# Altium PCB CX3_Camera.PcbDoc (continued)
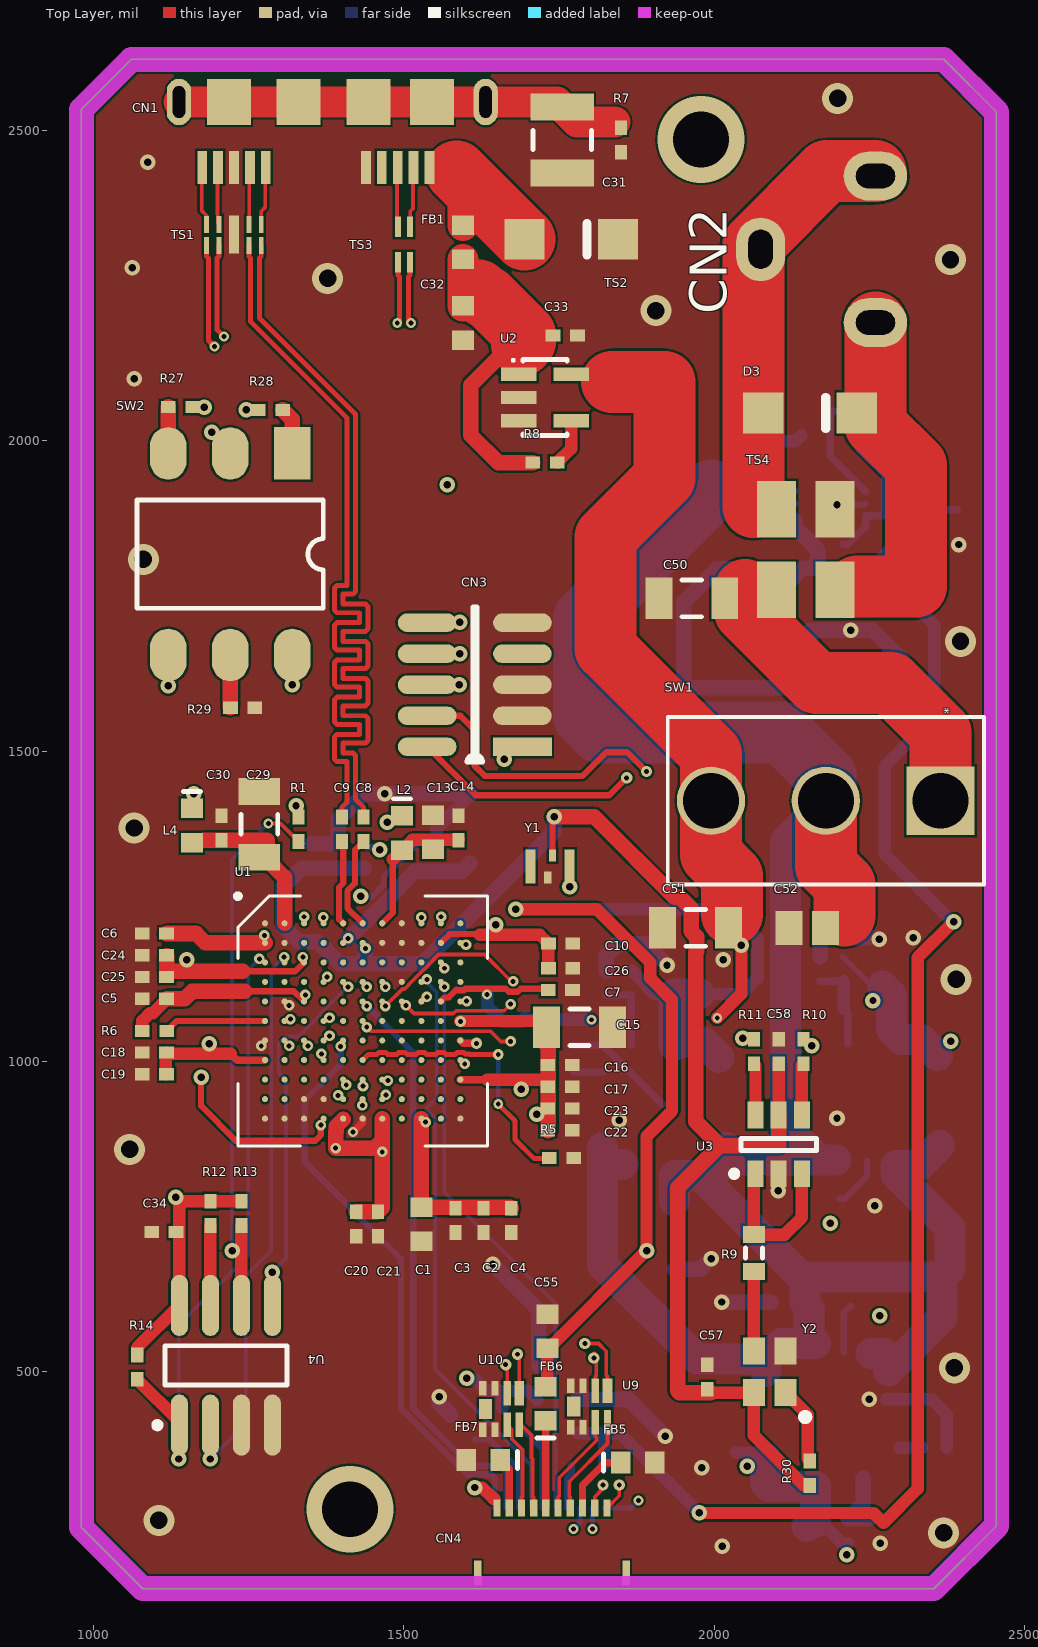
[diagram p0: Top Layer view]
## Footprints (in the part's own frame and the unit in brackets; to place one, negate y for a bottom-side part, rotate by r counter-clockwise, add the part's x,y. Pads: shape width x height; smd on the part's side, far side on the other; paste and mask are expansions set on the pad) (continued)
  rect 69x57 smd paste-34: 7(0,0)
  silkscreen extent -90,-47 66,47, body extent -63,-42 63,41, height 32
DO-214AC [mm]
  rect 1.65x1.67 smd: 1(0,0) 2(3.83,0)
  silkscreen extent 1.27,-0.63 1.27,0.64
DO-216AA [mil] "DO-216AA"
  rect 105.12x100 smd: 1(0,0)
  rect 30x50 smd: 2(92.56,0)
FTSH-105-01-F-DV-K [mm]
  rect 2.4x0.76 smd: 1(0,0)
  oval 2.4x0.76 smd: 2(3.9,0) 3(0,-1.27) 4(3.9,-1.27) 5(0,-2.54) 6(3.9,-2.54) 7(0,-3.81) 8(3.9,-3.81) 9(0,-5.08) 10(3.9,-5.08)
  silkscreen extent 1.63,-5.71 2.27,0.64, body extent -1.06,-5.71 4.79,0.63, height 6.11
INDC1608L [mm] "Chip Inductor, Body 1.6x0.8mm, IPC High Density"
  rect 0.8x0.9 smd: 1(-0.7,0) 2(0.7,0)
  silkscreen extent -1.4,-0.35 -1.4,0.35, body extent -0.87,-0.47 0.87,0.47, height 0.55
J1-0603 [mm] "Chip Resistor, Body 1.6x0.8mm, IPC High Density"
  rect 0.7x0.9 smd: 1(-0.75,0) 2(0.75,0)
  silkscreen extent -0.2,-0.35 0.2,0.35, body extent -0.85,-0.48 0.85,0.47, height 0.9
PJ-102B [mm]
  oval 2.6x2 hole 1 slot 1.6 at 0 deg: 1(0,0) 2(0,6)
  oval 2x2.6 hole 1 slot 1.6 at 90 deg: 3(-4.7,3)
  body extent -4.9,-0.6 4.5,13.8, height 11.5
RCLAMP0524J [mil] "TVS DIODE 5VWM 15VC 8SLP"
  rect 8x27 smd: 1(0,-34) 2(20,-34) 3(68,-34) 4(88,-34) 5(88,0) 6(68,0) 7(20,0) 8(0,0)
  rect 16x61 smd: 9(44,-17.5)
RGW20_3P15X3P15 [mm]
  rect 1x0.35 smd paste-0.175: 1(-2.4,1.3) 2(-2.4,0.65) 3(-2.4,0) 4(-2.4,-0.65) 5(-2.4,-1.3) 11(2.4,-1.3) 12(2.4,-0.65) 13(2.4,0) 14(2.4,0.65) 15(2.4,1.3)
  rect 0.35x1 smd paste-0.175: 6(-1.3,-2.4) 7(-0.65,-2.4) 8(0,-2.4) 9(0.65,-2.4) 10(1.3,-2.4) 16(1.3,2.4) 17(0.65,2.4) 18(0,2.4) 19(-0.65,2.4) 20(-1.3,2.4)
  rect 3.15x3.15 smd paste-1.562 mask-1.562: 21(0,0)
  silkscreen extent -2.96,-3.41 2.96,3.41, body extent -2.63,-2.63 2.63,2.63, height 1
SDA03H0SBR [mm]
  rect 2.15x1.5 smd: 1(0,0)
  oval 2.15x1.5 smd: 2(0,-2.54) 3(0,-5.08) 4(8.25,-5.08) 5(8.25,-2.54) 6(8.25,0)
  silkscreen extent 1.91,-6.35 6.34,1.27, body extent -0.5,-7.3 8.8,2.3, height 4.5
SG5032 [mm]
  rect 1.1x0.9 smd: 1(0,-1.3) 2(1.7,-1.3) 3(1.7,0) 4(0,0)
  silkscreen extent -1.14,-2.24 -0.86,-1.96
SIT1533 [mm] "32.768 kHz Quartz XTAL Replacement"
  rect 0.4x1.4 smd: 1(0,0) 3(1.6,0)
  rect 0.3x0.5 smd: 2(0.7,-0.45) 4(0.9,0.45)
SO8_M [mm] "SOIC, 8-Leads, Body 4.9x3.9mm, Pitch 1.27mm, IPC Low Density"
  oval 2.5x0.7 smd: 1(-2.45,1.905) 2(-2.45,0.635) 3(-2.45,-0.635) 4(-2.45,-1.905) 5(2.45,-1.905) 6(2.45,-0.635) 7(2.45,0.635) 8(2.45,1.905)
  silkscreen extent -2.57,-2.5 0.8,2.93, body extent -2,-2.5 2,2.5, height 1.75
SOD-323 [mm] "SOD-323/SC-76; 2 Leads; Body 1.7 x 1.3 mm, (LxW)"
  rect 1.45x0.55 smd: 1(1.175,0) 2(-1.175,0)
  silkscreen extent -0.95,-0.75 0.95,0.75
SOT-23-5 [mm] "SOT-23/SC-74A; 5 Leads; Body 3.1 x 3.1 mm, inc. leads (LxW max)"
  rect 0.55x1.45 smd: 1(-0.95,-1.075) 2(0,-1.075) 3(0.95,-1.075) 4(0.95,1.075) 5(-0.95,1.075)
  silkscreen extent -1.57,-1.35 1.55,0.9
SOT-23_A_N [mm] "SOT23, 6-Leads, Body 2.9x1.7mm, Pitch 0.95mm, Lead Span 2.8mm, IPC Medium Density"
  rect 1.1x0.65 smd: 1(-1.2,0.95) 2(-1.2,0) 3(-1.2,-0.95) 4(1.2,-0.95) 5(1.2,0) 6(1.2,0.95)
  silkscreen extent -1.32,-1.55 0.25,1.95, body extent -0.9,-1.55 0.9,1.55, height 1.45
SRF0504-102Y [mm]
  rect 1.6x2.3 smd: 1(2.4,0) 2(0,0) 3(0,-3.3) 4(2.4,-3.3)
  body extent -1.3,-4.2 3.7,1, height 4.8
SZEMI2121MTTAG [mm]
  rect 0.4x1 smd: 1(0,-1.3)
  rect 0.3x1 smd: 2(0.5,-1.3) 7(0.5,0) 8(0,0)
  rect 0.3x0.6 smd: 3(1,-1.5) 4(1.5,-1.5) 5(1.5,0.2) 6(1,0.2)
  rect 0.54x0.8 smd: 9(1.38,-0.65)
USB3MICROB [mm] "USB 3.0 Micro B Receptacle"
  oval 1x1.9 hole 0.5 slot 1.3 at 90 deg: 0(-2.3,-2.675) 0(10.25,-2.675)
  rect 1.8x1.9 smd: 0(-0.1,-2.675) 0(2.5,-2.675) 0(5.35,-2.675) 0(8.2,-2.675)
  rect 0.4x1.35 smd: 1(0,0) 2(0.65,0) 3(1.3,0) 4(1.95,0) 5(2.6,0) 6(6.7,0) 7(7.35,0) 8(8,0) 9(8.65,0) 10(9.3,0)
  body extent -2.7,-5.52 10.71,0.4, height 2.73

## Part data
C1 C2 C3 C4 C5 C6 C7 C8 C9 C10 C11 C12 C13 C14 C15 C16 C17 C18 C19 C20 C21 C22 C23 C24 C25 C26 C27 C28 C29 C30 C31 C32 C33 C34 C35 C36 C37 C38 C39 C40 C41 C42 C43 C44 C45 C46 C47 C48 C49 C50 C51 C52 C53 C54 C55 C57 C58: library part "Cap Semi", "Capacitor (Semiconductor SIM Model)"
CN2: library part PWR2.5, "Low Voltage Power Supply Connector"
CN3: library part MHDR2X5, "Header, 5-Pin, Dual row"
CN4 CN5: library part "Header 10", "Header, 10-Pin"
D1 D2 D3: library part BAT60B, "Silicon AF Schottky Rectifier Diode"
FB1 FB2 FB3 FB4 FB5 FB6 FB7 L1 L2 L3 L4 L5: library part Inductor, "Inductor"
R1 R5 R6 R7 R8 R9 R10 R11 R12 R13 R14 R15 R16 R17 R18 R19 R20 R21 R22 R23 R24 R25 R26 R27 R28 R29 R30: library part Res3, "Resistor"
SW1 U5 U6 U7 U8: "Imported"
TS1: library part RCLAMP0524J
TS2: library part DL5243B, "Silicon Zener Diode"
TS3 TS4: library part CHOKE_COM
U1: "Cypress CX3"
U4: library part M25P40
Y1: library part OSCILATOR_32kHz
Y2: library part OSCILLATOR

## Via types
v1: diameter 25, hole 12, Top Layer to Bottom Layer, tented both sides, 67 vias
v2: diameter 17, hole 8, Top Layer to Bottom Layer, tented both sides, 49 vias
v3: diameter 16, hole 8, Top Layer to Bottom Layer, tented both sides, 13 vias
v4: diameter 50, hole 28, Top Layer to Bottom Layer, tented both sides, 12 vias
v5: diameter 18, hole 8, Top Layer to Bottom Layer, tented both sides, 9 vias
v6: diameter 140, hole 90, Top Layer to Bottom Layer, 2 vias
v7: diameter 18/18/18 (per signal layer), hole 8, Top Layer to Bottom Layer, tented both sides, 1 vias

## Nets (pads, with @x,y where several pads share a name; then routed paths per layer and width w, separated by ;. In a path a pad name is that pad's centre, name@x,y a point inside that pad or via, vN(x,y) a via of type N, cw(c..) or ccw(c..) an arc to the next point about the centre after c; other vN are vias at no path point)
CLK_19.2MHZ_CX3: R11.1 U1.D7 | length 656.4
  L4 (SIG) w8: v2(1470,1120) 1503,1120 1520.96,1102.04 1520.96,1097.35 1624.31,994 2016,994 2046,1024 v1(2046,1037)
CLK_19.2MHZ_MIPI: R10.1 U1.F2 | length 923.7
  L4 (SIG) w8: v2(1317,1068) 1347,1068 1373,1094 1402,1094 1424.96,1071.04 1510.96,1071.04 1581.96,1000.04 1581.96,989.35 1592.31,979 2017.32,979 2046.28,1007.96 2113.96,1007.96 2131,1025 v1(2157,1025)
CLK_OSC_32K768HZ: U1.D6 Y1.3 | length 403.6
  L4 (SIG) w10: v2(1440,1120) 1440.1,1120 1536.06,1215.96 1583.96,1215.96 1601,1233 1601,1250 1618,1267 1753,1267 v1(1767,1281)
CLKM_CX3: CN5.3 U1.G3 | length 1069.1
  L4 (SIG) w8: v2(1345,1025) 1345,547 1646,246 v3(1773,246)
  Bottom Layer w8: v3(1773,246) 1783.63,256.63 CN5.3
CX3_GPIO17: U1.D11
CX3_GPIO18: U1.C6
CX3_GPIO19: U1.C7
CX3_GPIO20: CN5.9 U1.E6 | length 930.4
  Bottom Layer w10: v2(1440,1089) 1515,1014 1515,440.24 1607.28,347.96 1655.04,347.96 1665.52,337.48 CN5.9
CX3_GPIO21: U1.B4
CX3_GPIO22: U1.C8
CX3_GPIO23: U1.B3
CX3_GPIO24: U1.A11
CX3_GPIO25: CN5.10 U1.G5 | length 917.5
  Bottom Layer w10: v2(1398,1024) 1398,995 1340,937 1340,837 1495,682 1495,441.09 1601.67,334.41 1640.59,334.41 1645.83,329.17 CN5.10
CX3_GPIO26: U1.C4
CX3_GPIO44: U1.F3
CX3_GPIO45: U1.C9
CX3_I2C_SCL: CN5.7 U1.D9 | length 936.5
  Bottom Layer w6: v2(1537,1132) 1537,1126.73 1553,1110.73 1553,941.27 1535,923.27 1550.04,908.23 1550.04,503.96 1704.89,349.11 CN5.7
CX3_I2C_SDA: CN5.5 U1.D10 | length 914.3
  Bottom Layer w6: v2(1565,1120) 1565,789 1744.26,609.74 CN5.5
CX3_NRST: U1.C5
CX3_PMODE0: SW2.2 U1.G4 | length 1407.1
  L4 (SIG) w6: v1(1190,2014) 1190,1148 1135,1093 1135,971 1173.5,932.5 1215,974 1215,1021 1244.54,1050.54 1370.46,1050.54 v2(1380,1041)
CX3_PMODE1: SW2.4 U1.H4 | length 1010.1
  L4 (SIG) w6: v1(1120,1605) 1120,962 1165,917 1182,917 1229,964 1229,1014 1256,1041 1353,1041 1367,1027 v2(1367,1012)
CX3_PMODE2: SW2.6 U1.L4 | length 992.4
  Top Layer w10: v1(1173,974) 1173,928 1229,872 1357,872 1366,881 v2(1366,897)
  L4 (SIG) w10: v1(1173,974) 1153,994 1153,1066 1231,1144 1231,1518 v1(1320,1607)
CX3_SPI_MISO: U1.C2 U4.2 | length 858.3
  Bottom Layer w6: v1(1188,359) 1245,416 1245,654 1286,695 1286,1147 v2(1307,1168)
CX3_SPI_MOSI: U1.D5 U4.5 | length 533.7
  Bottom Layer w6: v1(1288,660) 1310,682 1310,970 1298,982 1298,1029.27 1308.77,1040.04 1330.04,1040.04 1364.96,1074.96 1364.96,1076.23 1408.73,1120 v2(1410,1120)
CX3_SPI_SCK: R1.1 R13.1 U4.6 | length 902.2
  Top Layer w6: v3(1281.31,1383.42) 1281.42,1383.31 1301,1383.31 R1.1
  Top Layer w20: U4.6 R13.1
  Bottom Layer w6: v1(1223,695) 1223,1325.1 v3(1281.31,1383.42)
CX3_SPI_SSN: R14.1 U1.C1 U4.1 | length 961.8
  Top Layer w20: R14.1 1138,419.31 U4.1
  Bottom Layer w6: v1(1137,359) 1137,575 1249,687 1249,1147 v2(1267,1165)
GND: C1.2 C2.2 C3.2 C4.2 C5.2 C6.2 C7.1 C10.2 C11.1 C12.2 C13.1 C14.2 C15.1 C16.1 C17.1 C18.1 C19.1 C20.1 C21.1 C22.1 C23.1 C24.1 C25.1 C26.1 C27.1 C28.2 C29.1 C30.2 C31.2 C32.1 C33.1 C34.2 C35.1 C36.1 C37.1 C38.1 C39.2 C42.1 C43.1 C44.1 C45.1 C46.1 C47.1 C48.1 C49.1 C50.1 C51.1 C52.1 C53.2 C54.1 C55.2 C57.1 C58.2 CN1.5 CN1.8 CN3.3 CN3.5 CN3.9 D2.2 FB2.2 FB5.2 FB7.2 R5.1 R7.2 R17.2 R20.1 R23.2 R26.2 R29.1 TS1.9 TS2.1 TS4.3 U1.A1 U1.A8 U1.B2 U1.B7 U1.B8 U1.B9 U1.D8 U1.E2 U1.E11 U1.G1 U1.G11 U1.K3 U1.K4 U1.L1 U1.L2 U1.L3 U1.L6 U1.L11 U2.2 U2.3 U3.2 U4.3 U4.4 U5.12 U5.21 U6.2 U6.7 U7.12 U7.21 U8.12 U8.21 U9.3 U9.4 U9.5 U9.6 U10.3 U10.4 U10.5 U10.6 Y1.2 Y2.2 | length 2384
  Top Layer w12: v3(1418,886) 1433.5,901.5 U1.L6 ; U1.G11 1595.49,1029 v7(1617,1029)
  Bottom Layer w10: v1(2198,1897) 2242,1897 U6.2
  Bottom Layer w12: C44.1 1821.32,1025.68 U7.21
  Bottom Layer w20: C28.2 1553,1376.15 C27.1@1607.85,1431 ; U5.12 2350.41,455.59 2374.68,431.31 C36.1
  Bottom Layer w25: C12.2 1388.63,1350.69 C11.1@1396.5,1358.56 ; C11.1 1394,1390 1435,1431 v1(1469,1431) C27.1@1607.85,1431 ; v1(1557,459) 1557,448 FB2.2 ; v1(1643,673) 1717.44,598.56 C53.2@1717.44,509.56 ; C54.1 1861.44,455.56 v1(1921,396) ; R23.2 1826,1171 1844.56,1189.56 1890,1189.56 v1@1916,1163.56 ; C43.1@1936,664.85 1977.85,664.85 v1(1995,682) ; v1(2012,612) 2091.44,612 ; C39.2@2035,1793.85 2004.41,1793.85 1951,1740.44 1951,1602 2113,1602 2154.56,1643.56 2154.56,1695 2255.29,1695 2303,1647.29 C42.1 ; R26.2 2171,1199 2264,1199 v1(2266,1197) ; U6.7 U6.7@2187,1916
  other v1: 2013,218 2268,223 1980,345 2250,455 2259,767 2103,791 1847,905 2198,908 1924,1155 2015,1164 2321,1199 2220,1695 2394,1833 1065,2100 1062,2279 1087,2449
  other v2: 1270,1025 1315,1090 1601,1097
  other v4: 2370,240 1105,260 2387,506 1058,858 2390,1132 1065,1376 2397,1677 1080,1809 1906,2210 1377,2262 2381,2292 2199,2552
JTAG_NTRST: CN3.10 U1.B11 | length 900.4
  L4 (SIG) w12: v1(1590,1708) 1544,1662 1544,1474 1569,1449 1745,1449 1796,1398 1796,1260 1724,1188 v2(1600,1188)
JTAG_TCK: CN3.4 U1.F6 | length 1271.1
  Top Layer w6: v2(1440,1055) 1446.54,1048.46 1639.54,1048.46 1656,1032 v2(1672,1032)
  Top Layer w10: CN3.4 1591,1557 1614,1534 1614,1476 1630,1460 1788,1460 1826,1498 1860,1498 v5(1891,1467)
  L4 (SIG) w10: v2(1672,1032) 1747,1032 1783.46,1068.46 1783.46,1074.68 1794.32,1085.54 1800.54,1085.54 1891,1176 v5(1891,1467)
JTAG_TDI: CN3.8 U1.E7 | length 1019.6
  Top Layer w6: v2(1470,1089) 1497.53,1116.53 1501.24,1116.53 1507.96,1123.24 1507.96,1124.23 1531.75,1148.02 1532.74,1148.02 1539.46,1154.74 1539.46,1155.67 1555.79,1172 1630,1172 1673,1129 v2(1676,1129)
  L4 (SIG) w10: v1(1590,1657) 1619,1657 1845.46,1430.54 1845.46,1231.46 1743,1129 v2(1676,1129)
JTAG_TDO: CN3.6 U1.C10 | length 778.9
  L4 (SIG) w12: v2(1565,1150) 1725,1150 1827,1252 1827,1405 1625,1607 v1(1589,1607)
JTAG_TMS: CN3.2 U1.E8 | length 1038.1
  Top Layer w6: v2(1503,1090) 1516,1077 1579.59,1077 1584.13,1081.54 1661.54,1081.54 v2(1672,1092)
  Top Layer w10: CN3.2 1615.46,1429 1831,1429 v5(1859,1457)
  L4 (SIG) w10: v2(1672,1092) 1744,1092 1868,1216 1868,1448 v5(1859,1457)
MIPI_CAM_PWDN: CN5.2 U1.G2 | length 1142.7
  L4 (SIG) w8: v2(1315,1025) 1315,551 1643,223 1781,223 v3(1804,246)
  Bottom Layer w8: CN5.2 1804,279.31 v3(1804,246)
MIPI_CAM_RST: CN5.1 U1.F4 | length 1097.6
  L4 (SIG) w8: v2(1380,1070) 1427,1023 1518,1023 1878,663 v3(1878,292)
  Bottom Layer w8: CN5.1 1866,280 v3(1878,292)
MIPI_CLK_N: CN4.9 U1.K7 | length 1001.6
  Top Layer w6: CN4.9 1807.48,297.78 1821,311.3 v5(1821,317)
  L4 (SIG) w6: v2(1471,946) 1471,884 1512,843 1531,843 1559,815 1537,793 1531.03,793 1524,785.97 1524,769.49 1516,761.49 1516,744.51 1524,736.51 1524,720.03 1614.03,630 1637.77,630 1645.77,622 1653.64,622 1661.51,629.87 1669.39,622 1677.26,622 1685.26,630 1709,630 1742,597 1742,585.06 1731,574.06 1731,572.19 1742,561.19 1742,549.26 1731,538.26 1731,519.89 1740,510.89 1740,492.14 1731,483.14 1731,464.77 1742,453.77 1742,441.84 1732,431.84 1732,427.97 1742,417.97 1742,406.03 1749.03,399 1773.03,399 1786.9,385.13 1786.9,365.1 1794.61,357.39 1814.64,357.39 1828.51,343.51 1828.51,324.51 v5(1821,317)
MIPI_CLK_P: CN4.10 U1.J7 | length 984.5
  Top Layer w6: CN4.10 1847,299.83 v5(1847,317)
  L4 (SIG) w6: v2(1474,969) 1474,967.75 1488.5,953.25 1488.5,938.75 1483,933.25 1483,888.97 1516.97,855 1539,855 1572,822 1572,810 1536,774 1536,725 1556.75,704.25 1570.75,704.25 1577.62,697.38 1577.62,684.38 1578.38,683.62 1591.38,683.62 1598.25,676.75 1598.25,662.75 1619,642 1713.97,642 1754,601.97 1754,411 1778,411 1847,342 v5(1847,317)
MIPI_D0_N: CN4.6 U9.7 | length 164.8
  Top Layer w6: CN4.6 1748.43,296.78 1750.27,298.62 1750.27,328.9 1810.69,389.31 1810.69,392.94 1808.32,395.31 U9.7
MIPI_D0_P: CN4.7 U9.8 | length 164.3
  Top Layer w6: CN4.7 1768.11,296.78 1766.27,298.62 1766.27,322.27 1828,384 U9.8
MIPI_D1_N: CN4.3 U10.7 | length 145.1
  Top Layer w6: U10.7 1673.55,406.76 1673.55,391.6 1691.21,373.94 1691.21,298.62 1689.37,296.78 CN4.3
MIPI_D1_P: CN4.4 U10.8 | length 145.3
  Top Layer w6: U10.8 1688.94,414 1705.74,397.2 1705.74,360.47 1707.21,359 1707.21,298.62 1709.06,296.78 CN4.4
MIPI_DAT0_N: U1.K5 U9.2 | length 833.2
  Top Layer w6: v5(1806,522) 1806,527.84 1807.16,529 1810.16,526 1810.16,493.71 1808.32,491.87 U9.2
  L4 (SIG) w6: v2(1394,945) 1389.5,949.5 1389.5,976.5 1398,985 1420.76,985 1439.8,1004.04 1496.96,1004.04 1815,686 1815,536.84 v5@1806,527.84
MIPI_DAT0_P: U1.J5 U9.1 | length 847.9
  Top Layer w6: v5(1791.46,545) 1813.78,545 1826.16,532.63 1826.16,493.71 1828,491.87 U9.1
  L4 (SIG) w6: v2(1407,962) 1414.73,962 1444.77,992.04 1491.96,992.04 1734.42,749.58 1720.71,735.87 1739.1,717.48 1752.81,731.19 1762,722 1803,681 1803,646.5 1792,635.5 1792,622.25 1801,613.25 1801,610.75 1791,600.75 1791,589.5 1803,577.5 1803,543 1801,545 v5(1791.46,545)
MIPI_DAT1_N: U1.K6 U10.2 | length 833.3
  Top Layer w6: v5(1664,511) 1664,509.93 1666.32,507.61 U10.2
  L4 (SIG) w6: v2(1433,929) 1433,872.75 ccw(c1439,848.49) 1439,823.49 cw(c1439,810.49) 1452,810.49 cw(c1439,810.49) 1439,797.49 ccw(c1439,772.49) 1439,747.49 cw(c1439,734.49) 1452,734.49 cw(c1439,734.49) 1439,721.49 ccw(c1439,696.49) 1439,671.49 cw(c1439,658.49) 1452,658.49 cw(c1439,658.49) 1439,645.49 ccw(c1439,639.49) 1433,639.49 1433,590 1440,583 1462.92,560.08 1443.27,540.42 1461.65,522.04 1481.31,541.69 1490.5,532.5 1508,515 1658.93,515 1662.93,511 v5(1664,511)
MIPI_DAT1_P: U1.J6 U10.1 | length 834.4
  Top Layer w6: v5(1682.85,527.85) 1686,524.7 U10.1
  L4 (SIG) w6: v2(1434,960) 1434,952.75 1450.5,936.25 1450.5,921.75 1445,916.25 1445,867.49 cw(c1439,867.49) 1439,861.49 ccw(c1439,848.49) 1439,835.49 cw(c1439,810.49) 1464,810.49 cw(c1439,810.49) 1439,785.49 ccw(c1439,772.49) 1439,759.49 cw(c1439,734.49) 1464,734.49 cw(c1439,734.49) 1439,709.49 ccw(c1439,696.49) 1439,683.49 cw(c1439,658.49) 1464,658.49 cw(c1439,658.49) 1445,634.22 1445,594.97 1512.97,527 1654.54,527 1656.54,529 1671.46,529 1673.46,527 1682,527 v5(1682.85,527.85)
MIPI_DAT2_N: U1.J9
MIPI_DAT2_P: U1.J8
MIPI_DAT3_N: U1.K8
MIPI_DAT3_P: U1.L8
NetC8_1: C8.1 U1.A6 | length 152.8
  Top Layer w10: U1.A6 1408.96,1247.03 1408.96,1274.72 1421,1286.76 1421,1340.32 C8.1
NetC9_1: C9.1 U1.A5 | length 138.1
  Top Layer w10: C9.1 1402.01,1352.31 1402.01,1286.92 1395.41,1280.33 1395.41,1229.07 U1.A5
NetC31_1: C31.1 CN1.0 R7.1 | length 715.9
  Top Layer w50: CN1.0@1137.46,2546.32 1218.17,2546.32 1330.37,2546.32 1442.57,2546.32 1544.94,2546.32 1631.55,2546.32 1746.83,2546.32 C31.1 1779.15,2514 1840,2514
NetC36_2: C36.2 U5.15 | length 36.3
  Bottom Layer w20: 2299,377 C36.2
NetC40_1: C40.1 D1.1 U6.3 | length 244.5
  Bottom Layer w12: C40.1 2215.68,1833 2244,1861.32 U6.3 2244.32,1879 2275,1879 2275,1945 2233.26,1986.74 D1.1
NetC41_2: C41.2 R19.2 R20.2 U6.1 | length 510.7
  Bottom Layer w12: U6.1 2187,1975.68 2187,2048 2281,2048 2309,2020 2309,1895.68 R19.2 C41.2 R20.2
NetC44_2: C44.2 U7.15 | length 52.2
  Bottom Layer w12: C44.2 1775.13,982.18 U7.15
NetCN1_1: CN1.1 FB1.1 TS2.2 | length 243.7
  Top Layer w50: 1565,2445 1580.39,2429.61 ; FB1.1 1595,2415
  Top Layer w100: 1585,2434.21 TS2.2
NetCN1_2: CN1.2 TS3.1 | length 101.8
  Top Layer w6: TS3.1 1510,2370 1514.41,2374.41 CN1.2@1514.41,2445
NetCN1_3: CN1.3 TS3.3 | length 100.6
  Top Layer w6: CN1.3@1488.82,2445 1488.82,2346.5 TS3.3
NetCN1_6: CN1.6 TS1.1 | length 98.6
  Top Layer w6: TS1.1 1270,2370 1276.22,2376.22 CN1.6@1276.22,2445
NetCN1_7: CN1.7 TS1.2 | length 96.3
  Top Layer w6: TS1.2 1250.63,2349.63 CN1.7@1250.63,2445
NetCN1_9: CN1.9 TS1.3 | length 94.2
  Top Layer w6: CN1.9@1199.45,2445 1199.45,2365.55 1200,2365 TS1.3@1200,2351
NetCN1_10: CN1.10 TS1.4 | length 99.4
  Top Layer w6: CN1.10@1173.86,2445 1173.86,2371.14 1182,2363 TS1.4
NetCN2_1: CN2.1 D3.1 TS4.2 | length 547.6
  Top Layer w100: 2230,1765 2325,1765 2325,1960 2260,2025 CN2.1
NetCN2_2: CN2.2 CN2.3 D3.2 TS4.4 | length 672.5
  Top Layer w50: TS4.4 TS4.4@2100.51,1893.15
  Top Layer w100: 2063.15,1893.15 2063.15,2277.24 2063.15,2316.61 2181.26,2434.72 2220.63,2434.72 CN2.2@2260,2434.72
NetCN4_2: CN4.2 FB7.1 | length 82.9
  Top Layer w12: FB7.1 1669.68,342.87 CN4.2
NetCN4_5: CN4.5 FB6.1 | length 140.4
  Top Layer w12: CN4.5 FB6.1@1728.74,420.44
NetCN4_8: CN4.8 FB5.1 | length 113.4
  Top Layer w12: CN4.8 1787.8,316.8 1824,353 FB5.1
NetCN5_4: CN5.4 FB4.1 | length 71.4
  Bottom Layer w10: CN5.4 CN5.4@1764,280.06
  Bottom Layer w12: CN5.4 1763.94,327.94 1769.44,333.44 FB4.1
NetCN5_6: CN5.6 FB3.1 | length 133.7
  Bottom Layer w12: FB3.1 1724.57,375.43 CN5.6
NetCN5_8: CN5.8 FB2.1 | length 153.3
  Bottom Layer w10: FB2.1 1637.49,390.51 1685.2,342.8 CN5.8
NetR1_2: R1.2 U1.D4 | length 302.5
  L4 (SIG) w10: v1(1326,1412) 1319,1405 1319,1221 1355,1185 1355,1157 v2(1376,1136)
NetR6_2: R6.2 U1.F1 | length 165
  Top Layer w10: R6.2 1133.68,1065 U1.F1
NetR8_1: R8.1 U2.4 | length 77
  Top Layer w20: R8.1 1769.65,1987.64 U2.4
NetR9_1: R9.1 Y2.3 | length 128.5
  Top Layer w20: Y2.3 R9.1
NetR9_2: R9.2 U3.1 U3.3 | length 254.9
  Top Layer w20: U3.1@2064,816.16 R9.2 2113.53,720.53 2141.4,748.4 U3.3
NetR10_2: R10.2 U3.4 | length 80.5
  Top Layer w20: U3.4 R10.2@2141.4,993.72
NetR11_2: R11.2 U3.6 | length 80.5
  Top Layer w20: U3.6 R11.2@2066.6,993.72
NetR12_1: R12.1 U4.7 | length 128.9
  Top Layer w20: U4.7 R12.1
NetR15_2: R15.2 U5.9 | length 79.9
  Bottom Layer w10: U5.9@2209,530.8 2209,594.69 R15.2
NetR16_2: R16.2 R17.1 U5.16 | length 110.6
  Bottom Layer w25: U5.16@2240,328 2240,286.37 R16.2 R17.1
NetR18_2: R18.2 U6.6 | length 77.9
  Bottom Layer w12: R18.2 2102,1918.68 U6.6
NetR21_2: R21.2 U7.9 | length 79.9
  Bottom Layer w12: U7.9@1890,830.2 1890,751.68 R21.2
NetR22_2: R22.2 R23.1 U7.16 | length 120.8
  Bottom Layer w12: R23.1 R22.2 U7.16@1866,1025.49
NetR24_2: R24.2 U8.9 | length 84.4
  Bottom Layer w10: R24.2 2210.37,778.37 2246.31,814.31 U8.9@2246.31,839.51
NetR25_2: R25.2 R26.1 U8.16 | length 139.3
  Bottom Layer w12: R26.1 R25.2 ; 2209,1084.32 2215,1078.32 U8.16@2215,1028.49
  Bottom Layer w20: 2209,1084.32 R25.2@2209,1129.32
NetR27_2: R27.2 SW2.3 | length 75.1
  Top Layer w25: SW2.3 1120,2054.49 R27.2
NetR28_2: R28.2 SW2.1 | length 76.3
  Top Layer w25: R28.2 1320,2034.49 SW2.1
NetR29_2: R29.2 SW2.5 | length 84.9
  Top Layer w25: R29.2@1220,1570.12 SW2.5
NetR30_1: R30.1 Y2.1 | length 126.4
  Top Layer w20: Y2.1 2150.61,430.57 2150.61,359.07 R30.1
NRST_CAM: R5.2 U1.H6 | length 450.9
  Top Layer w8: U1.H6 1442.5,1011 1456.36,1011 1459.84,1014.47 1470.16,1014.47 1473.64,1011 1487.86,1011 1491.33,1014.47 1501.66,1014.47 1505.13,1011 1519.36,1011 1522.83,1014.47 1533.16,1014.47 1536.63,1011 1550.85,1011 1554.33,1014.47 1564.65,1014.47 1568.12,1011 1582.35,1011 1585.82,1014.47 1596.15,1014.47 1598.58,1012.04 1604.65,1012.04 1605.69,1011 v2(1652,1011) ; v3(1652,931) 1679,904 1679,874 1710,843 R5.2@1732.31,843
  Bottom Layer w8: v3(1652,931) v2(1652,1011)
USB2_DATA_N: TS3.2 U1.A10 | length 1396.9
  Top Layer w8: TS3.2 1510,2267.18 1507.16,2264.34 1507.16,2194 v3(1511.16,2190)
  L4 (SIG) w8: v3(1511.16,2190) 1507.16,2186 1507.16,1914 1523.06,1914 1527.16,1909.9 1527.16,1874.1 1523.06,1870 1487.16,1870 1487.16,1854 1523.06,1854 1527.16,1849.9 1527.16,1814.1 1523.06,1810 1487.16,1810 1487.16,1794 1523.06,1794 1527.16,1789.9 1527.16,1754.1 1523.06,1750 1487.16,1750 1487.16,1734 1523.06,1734 1527.16,1729.9 1527.16,1694.1 1523.06,1690 1487.16,1690 1487.16,1674 1503.06,1674 1507.16,1669.9 1507.16,1604.1 1503.06,1600 1496.16,1600 1496.16,1584 1503.06,1584 1507.16,1579.9 1507.16,1320.84 1560,1268 v2(1560,1233)
USB2_DATA_P: TS3.4 U1.A9 | length 1398
  Top Layer w8: v3(1489.16,2190) 1493.16,2194 1493.16,2264.34 1490.32,2267.18 TS3.4
  L4 (SIG) w8: v3(1489.16,2190) 1493.16,2186 1493.16,1904.1 1497.26,1900 1513.16,1900 1513.16,1884 1477.26,1884 1473.16,1879.9 1473.16,1844.1 1477.26,1840 1513.16,1840 1513.16,1824 1477.26,1824 1473.16,1819.9 1473.16,1784.1 1477.26,1780 1513.16,1780 1513.16,1764 1477.26,1764 1473.16,1759.9 1473.16,1724.1 1477.26,1720 1513.16,1720 1513.16,1704 1477.26,1704 1473.16,1699.9 1473.16,1664.1 1477.26,1660 1493.16,1660 1493.16,1614 1486.26,1614 1482.16,1609.9 1482.16,1574.1 1486.26,1570 1493.16,1570 1493.16,1315.04 1537.1,1271.1 1537.1,1241.1 v2(1528,1232)
USB_SSRX_N: TS1.6 U1.A3 | length 1394.4
  Top Layer w8: TS1.6 1202,2297.5 1199,2294.5 1199,2179 v3(1210,2168)
  L4 (SIG) w8: v3(1210,2168) 1204.34,2168 1178.17,2194.17 1178.17,2213.17 1189,2224 1241,2224 1267.75,2197.25 1267.75,2181.25 1277.12,2171.88 1289.12,2171.88 1295.88,2165.12 1295.88,2153.12 1305.25,2143.75 1321.25,2143.75 1348,2117 1348,2062.31 1334,2048.31 1334,2027.97 1342,2019.97 1342,1995.28 1334,1987.28 1334,1966.94 1348,1952.94 1348,1898.25 1334,1884.25 1334,1858.66 1345,1847.66 1345,1818.47 1334,1807.47 1334,1781.88 1346,1769.88 1346,1589.12 1334,1577.12 1334,1551.53 1344,1541.53 1344,1510.34 1334,1500.34 1334,1474.75 1348,1460.75 1348,1242 v2(1339,1233)
USB_SSRX_P: TS1.5 U1.A4 | length 1394.3
  Top Layer w8: TS1.5 1182,2297.5 1185,2294.5 1185,2161.89 v3(1194.44,2152.44)
  L4 (SIG) w8: v3(1194.44,2152.44) 1194.44,2158.1 1168.27,2184.27 1164.17,2188.37 1164.17,2218.97 1168.27,2223.07 1179.1,2233.9 1183.2,2238 1246.8,2238 1250.9,2233.9 1362,2122.8 1362,1240 v2(1370,1232)
USB_SSTX_N: C8.2 TS1.8 | length 1334.8
  Top Layer w8: TS1.8 1270,2297.5 1267,2294.5 1267,2198 1422,2043 1422,1757.1 1417.9,1753 1402,1753 1402,1737 1437.9,1737 1442,1732.9 1442,1697.1 1437.9,1693 1402,1693 1402,1677 1437.9,1677 1442,1672.9 1442,1637.1 1437.9,1633 1402,1633 1402,1617 1437.9,1617 1442,1612.9 1442,1577.1 1437.9,1573 1402,1573 1402,1557 1437.9,1557 1442,1552.9 1442,1517.1 1437.9,1513 1402,1513 1402,1497 1417.9,1497 1422,1492.9 1422,1422.5 1435,1409.5 C8.2 C8.2@1439.68,1389
USB_SSTX_P: C9.2 TS1.7 | length 1326.1
  Top Layer w8: TS1.7 1250,2297.5 1253,2294.5 1253,2192.2 1408,2037.2 1408,1767 1392.1,1767 1388,1762.9 1388,1727.1 1392.1,1723 1428,1723 1428,1707 1392.1,1707 1388,1702.9 1388,1667.1 1392.1,1663 1428,1663 1428,1647 1392.1,1647 1388,1642.9 1388,1607.1 1392.1,1603 1428,1603 1428,1587 1392.1,1587 1388,1582.9 1388,1547.1 1392.1,1543 1428,1543 1428,1527 1392.1,1527 1388,1522.9 1388,1487.1 1392.1,1483 1408,1483 1408,1417.5 1400,1409.5 C9.2
VCC1P2_A: C13.2 C14.1 L2.2 U1.A7 | length 229
  Top Layer w10: U1.A7 1482.09,1239.57 L2.2@1482.09,1325.53
  Top Layer w20: L2.2@1482.09,1325.53 1513.43,1356.87 C14.1@1588,1356.87
VCC1P2_FX3_RX: C29.2 C30.1 L4.2 U1.A2 | length 247.4
  Top Layer w25: 1177.69,1356.13 1280,1356.13 1280,1324 1307.52,1296.48 U1.A2
VCC1P2_FX3_TX: C27.2 C28.1 L3.2 U1.B5 | length 246.9
  Bottom Layer w25: v2(1410,1198) 1411.37,1198 1488.81,1275.44 1488.81,1276.81 1518.5,1306.5 1593.65,1306.5 C27.2@1606,1318.85
VCC_1V2: C10.1 C15.2 C16.2 C17.2 C18.2 C19.2 C20.2 C21.2 C22.2 C23.2 C24.2 C25.2 C26.2 C48.2 C49.2 L2.1 L3.1 L4.1 R24.1 R25.1 U1.B10 U1.C3 U1.E9 U1.F11 U1.H1 U1.J11 U1.L5 U1.L7 U8.1 U8.18 U8.19 U8.20 | length 1920.6
  Top Layer w10: C18.2@1116.37,1008 C18.2@1120.37,1012 ; L4.1@1161,1407.56 v1(1161,1431) ; 1240,1145 1324.53,1145 U1.C3 ; v1(1473,1385) v1@1473.34,1385.34 ; U1.E9 1535.5,1104 v2(1537,1104) ; U1.B10 1573.55,1205.04 1622,1205.04
  Top Layer w12: 1221,1012 1230.99,1002.01 U1.H1 ; U1.J11 1634.49,970.51
  Top Layer w20: C19.2@1116.37,979 C18.2@1116.37,1008 ; C18.2 1119.37,1012 1120.37,1012 1221,1012 ; U1.F11 1725,1065 1725,1027.87 1732.87,1020 ; 1622,1204 1718.87,1204 C10.1 C26.2 ; 1634.49,970.51 1732.39,970.51
  Top Layer w25: C24.2@1118,1170.37 1118,1145 1240,1145 ; U1.L5@1402.01,906.46 1390.54,894.99 1390.54,886.83 1390,886.29 v2(1390,860) 1453,860 1465,872 ; C20.2 C21.2 1465,764.24 v2(1465,854) 1465,872 ; U1.L7 1465,872 ; C22.2@1732.87,888 1732.87,1020
  L4 (SIG) w10: v2(1537,1104) 1551,1104 v5(1591,1064)
  Bottom Layer w10: v1(1430,1266) 1449.61,1266 1467.76,1284.15 1467.76,1297.25 1514.3,1343.78 L3.1@1518.5,1343.78 ; R25.1 2207,1168.44 C49.2
  Bottom Layer w50: C49.2@2271,1121.44 2286,1106.44 2286,1051 2302,1035 2334,1035 2360,1009
  other v1: 2187,738.68 1714,915 1689,955 1186,1028 2381,1032 2256,1098 1150,1164 1648,1220
  other v2: 1337,1168
VCC_1V8: C41.1 C42.2 C54.2 FB4.2 L5.2 R19.1 | length 2447.5
  Top Layer w20: v1(1976,272) 2257,272 2273,256 2328,311 2328,1167 v1(2386,1225)
  Bottom Layer w12: 2264.44,1789 2267,1791.56 2267,1814.32 R19.1 C41.1
  Bottom Layer w20: C54.2 1823,400.44 ; FB4.2@1823,350.56 1823,400.44 ; v1(1976,272) 1847.56,400.44 1823,400.44 ; L5.2@2242.43,1789 2264.44,1789 ; 2267,1791.56 2355,1703.56 2355,1556 2275,1476 2275,1334 2386,1223 v1(2386,1225)
VCC_1V8FB: C40.2 D2.1 L5.1 U6.4 | length 231.4
  Bottom Layer w25: D2.1@2062,1714 2142.91,1794.91 2167.31,1794.91 2167.31,1824 2130,1861.32 2130,1872
VCC_2V8: C45.2 C46.2 C55.1 FB6.2 R21.1 R22.1 U7.1 U7.18 U7.19 U7.20 | length 1886
  Top Layer w20: v1(1680,1245) 1811.13,1245 1897,1159.13 1897,1134 1932,1099 1932,920 1891,879 v1(1891,695) C55.1@1731,535 ; FB6.2@1731,478.56 C55.1@1731,535 ; C55.1 C55.1@1731,535
  Bottom Layer w20: v1(1680,1245) 2022.83,1245 2070.04,1197.79 2070.04,1133.96 2044.53,1108.44 C46.2@1976,1108.44 ; R22.1 1867.44,1145.68 1889.39,1123.74 1889.39,1122.3 1903.24,1108.44 1916,1108.44
  Bottom Layer w50: C46.2@1976,1108.44 1935.44,1108.44 1935.44,1025.74 1940.7,1031 1983,1031 2008,1006
VCC_5V: C50.2 SW1.1 TS4.1 | length 540.8
  Top Layer w100: 2050,1760 2050,1725 2165,1610 2285,1610 2365,1530 SW1.1
VCC_IO: C1.1 C2.1 C3.1 C4.1 C5.1 C6.1 C34.1 C37.2 C38.2 C53.1 CN3.1 CN4.1 FB3.2 L1.1 R6.1 R12.2 R13.2 R14.2 R15.1 R16.1 R27.1 R28.1 U1.B1 U1.E3 U1.H11 U1.L9 U4.8 U5.1 U5.18 U5.19 U5.20 | length 1649.6
  Top Layer w10: 1243,1113 1322.51,1113 U1.E3
  Top Layer w20: R14.2 1070,538.46 U4.8 1138,767 1145.68,774.68 R12.2 R13.2 ; R6.1 1078.32,1065.32 1090.61,1077.61 1095.42,1077.61 1117.37,1099.56 C5.1 ; v1(1614,313) 1626,313 1644,295 1646,295
  Top Layer w25: C5.1 1147,1101 1159,1113 1243,1113 ; C6.1 1165,1206 1180.02,1190.98 U1.B1 ; U1.L9 C1.1 1671.25,765.12 C4.1
  Bottom Layer w12: L1.1@1441.5,1344.78 1457.26,1344.78 v1(1460.89,1341.16)
  Bottom Layer w20: v1@1601,487 1615,487 1633,469 1700.44,469 C53.1 ; FB3.2 1658.51,468.49 ; C38.2 2074,369 2083,360 ; 2172.44,257.56 2207,223 R16.1
  Bottom Layer w50: 2083,360 2083,320 2088,315 2163,315 2163,257.56 2157.56,257.56 C37.2@2150,250
  other v1: 2214,205 2053,347 1601,489 2267,590 1132,781 1662,1487 1570,1929 1246,2050 1178,2054
  other v2: 1535,902 1598,996 1341,1107 1275,1203
VCC_SYS: C35.2 C39.1 C43.2 C47.2 C52.2 D1.2 R18.1 SW1.2 U5.5 U5.6 U5.7 U5.8 U5.10 U5.11 U6.5 U7.5 U7.6 U7.7 U7.8 U7.10 U7.11 U8.5 U8.6 U8.7 U8.8 U8.10 U8.11 | length 4091.1
  Top Layer w100: SW1.2 2180,1315 2210,1285 2210,1235
  Bottom Layer w12: C39.1@2052,1896.56 2104.56,1896.56 2107,1899 U6.5
  Bottom Layer w20: R18.1 2027.32,1999.68 2131.43,1999.68 D1.2
  Bottom Layer w50: 1820,861 1820,834 ; 1853,834 1820,834 ; C43.2@1936,775 1936,816 1977.12,816 2146.56,646.56 ; 1996,816 2021,841 ; 2021,861 2021,841 ; 2083,500 2083,520 ; 2136,874 2165,845 ; 2146.56,612 2146.56,646.56 ; C35.2@2153,602.44 2153,555 2163,545 2108,545 2083,520 ; SW1.2 2115,1355 2115,874 2082,841 ; 2196,841 2082,841 ; 2253,529 2274,529 2281,522 2281,501 2367,587 2367,652 ; 2363,864 2331.2,832.2 2293,832.2 2293,818 2380,731 2380,665 2367,652 ; 1820,834 1820,672 1972,520 2083,520 ; 2021,841 2082,841 ; 2146.56,646.56 2152,652 2367,652
  Bottom Layer w100: 1996,1920 1790,1714 1790,1556 1816,1530 2109,1530 2180,1459 SW1.2
VCC_USB: C7.2 C51.2 SW1.3 U1.E10 U2.5 | length 1795.9
  Top Layer w10: U1.E10 1565.95,1102.96 1572.06,1102.96 1584.52,1115.42 1585.41,1114.53 1596.56,1114.53 1599.03,1117 1663.9,1117 1668.94,1111.96 1683.06,1111.96 1688.1,1117 1725.87,1117 C7.2@1732.87,1110
  Top Layer w20: v3(2005,1070) 2044,1109 v1(2044,1187)
  Top Layer w100: 1835,2095 1920,2095 1920,1940 1825,1845 1825,1665 1995,1495 SW1.3 1995,1333 2029,1299 C51.2@2029,1237
  L4 (SIG) w20: v3(1802,1067) 2002,1067 v3(2005,1070)
  Bottom Layer w20: v3(1634,1108) 1634,1091 1636,1089 1635,1088 1659,1064 1689,1064 1695,1070 1698,1067 v3(1802,1067)
VCC_USB_RAW: C32.2 C33.2 FB1.2 R8.2 U2.1 | length 531.2
  Top Layer w25: 1678,2160 1608,2090 1608,2009 1652,1965 R8.2
  Top Layer w50: FB1.2 C32.2 1620,2242.56
  Top Layer w100: 1620,2242.56 1630.83,2231.73 1634.89,2231.73 1695,2171.63 1695,2160 1690,2155
VCCIO_CLK: C11.2 C12.1 C57.2 C58.1 L1.2 R30.2 U1.B6 U3.5 Y1.4 Y2.4 | length 2521.2
  Top Layer w10: Y1.4 1739.43,1391.43 v1(1742,1394)
  Top Layer w20: C57.2@1994.32,466 Y2.4 2064,397 2144.69,316.31 R30.2 ; U3.5 C58.1
  Top Layer w25: v1(1742,1394) 1807,1394 1936.49,1264.51 1945.15,1264.51 1962.96,1246.7 1962.96,1209.64 1972,1200.6 1972,1177.37 1970.46,1175.82 1970.46,902.54 2009,864 ; C57.2@1994.32,466 1944,466 1941,469 1941,796 2009,864 ; U3.5 2104,864 2009,864
  Bottom Layer w25: L1.2@1435.6,1311.32 C12.1 1335.32,1311.32 1305,1281 1305,1218 1330,1193 1361,1193 1397,1157 1438,1157 ; v2(1438,1182) 1438,1157 ; v1(1742,1394) 1742,1370 1529,1157 1438,1157
pads on no net: CN1.4 CN3.7 CN4.11 CN4.20 CN5.11 CN5.20 U1.C11 U1.D1 U1.D2 U1.D3 U1.E1 U1.E4 U1.E5 U1.F5 U1.F7 U1.F8 U1.F9 U1.F10 U1.G6 U1.G7 U1.G8 U1.G9 U1.G10 U1.H2 U1.H3 U1.H5 U1.H7 U1.H8 U1.H9 U1.H10 U1.J1 U1.J2 U1.J3 U1.J4 U1.J10 U1.K1 U1.K2 U1.K9 U1.K10 U1.K11 U1.L10 U5.2 U5.3 U5.4 U5.13 U5.14 U5.17 U7.2 U7.3 U7.4 U7.13 U7.14 U7.17 U8.2 U8.3 U8.4 U8.13 U8.14 U8.15 U8.17 U9.9 U10.9 Y1.1
copper on no net:
  other v6: 1413,278 1979,2486

## Polygon pours and split planes (outlines as drawn)
VCC_1V2 on L4 (SIG) "GND" (solid, pour order 4): 980,2616 983,2613 2360,2613 2376,2613 2458,2531 2458,171 2430,143 2426,147 977,147 977,2610
VCC_2V8 on Bottom Layer "GND" (solid, pour order 6): 980,2612 985,2617 2362,2617 2370,2617 2459,2528 2453,2522 2453,175 2453,172 2431,150 2428,147 980,147 980,2612
GND on Top Layer "Top Layer-GND" (solid, remove dead copper, pour order 8): 2363,2611 2449,2525 2450,2525 2450,248 2352,150 1092,150 1088,146 994,240 983,240 983,2532 1050,2599 1050,2615 2370,2615 2371,2614
VCC_IO on L2 (3V3) (split plane): 2434.9,2521.68 2434.9,259.32 2345.68,170.1 1087.32,170.1 1000.1,257.32 1000.1,2525.68 1069.32,2594.9 2361.68,2594.9
GND on L3 (GND) (split plane): 2434.9,2521.68 2434.9,259.32 2345.68,170.1 1087.32,170.1 1000.1,257.32 1000.1,2525.68 1069.32,2594.9 2361.68,2594.9
GND on L5 (GND) (split plane): 2434.9,2521.68 2434.9,259.32 2345.68,170.1 1087.32,170.1 1000.1,257.32 1000.1,2525.68 1069.32,2594.9 2361.68,2594.9

## Keep-outs
Keep-Out Layer:
  the board outline again, w40

## Silkscreen, mask and mechanical layers (free items; w line width, h text height)
Bottom Overlay:
  lines w10: 1041,2033 1934,2033 ; 1042,1835 1042,2305 1047,2310 1933,2310 1935,2312 1935,1835 1042,1835
  text "REV B" at 1291,2196 h80
  text "LOU-CAM" at 1894,2190 h120
  text "CX3 CONTROLLER" at 1896,2088 h80
  text "ADVANCED SURGICAL / TECHNOLOGIES LAB" at 1910,1854 h80
Mechanical 13:
  the board outline again, w10